# Altium PCB MotherBoard.PcbDoc (part 2 of 10) (continued)
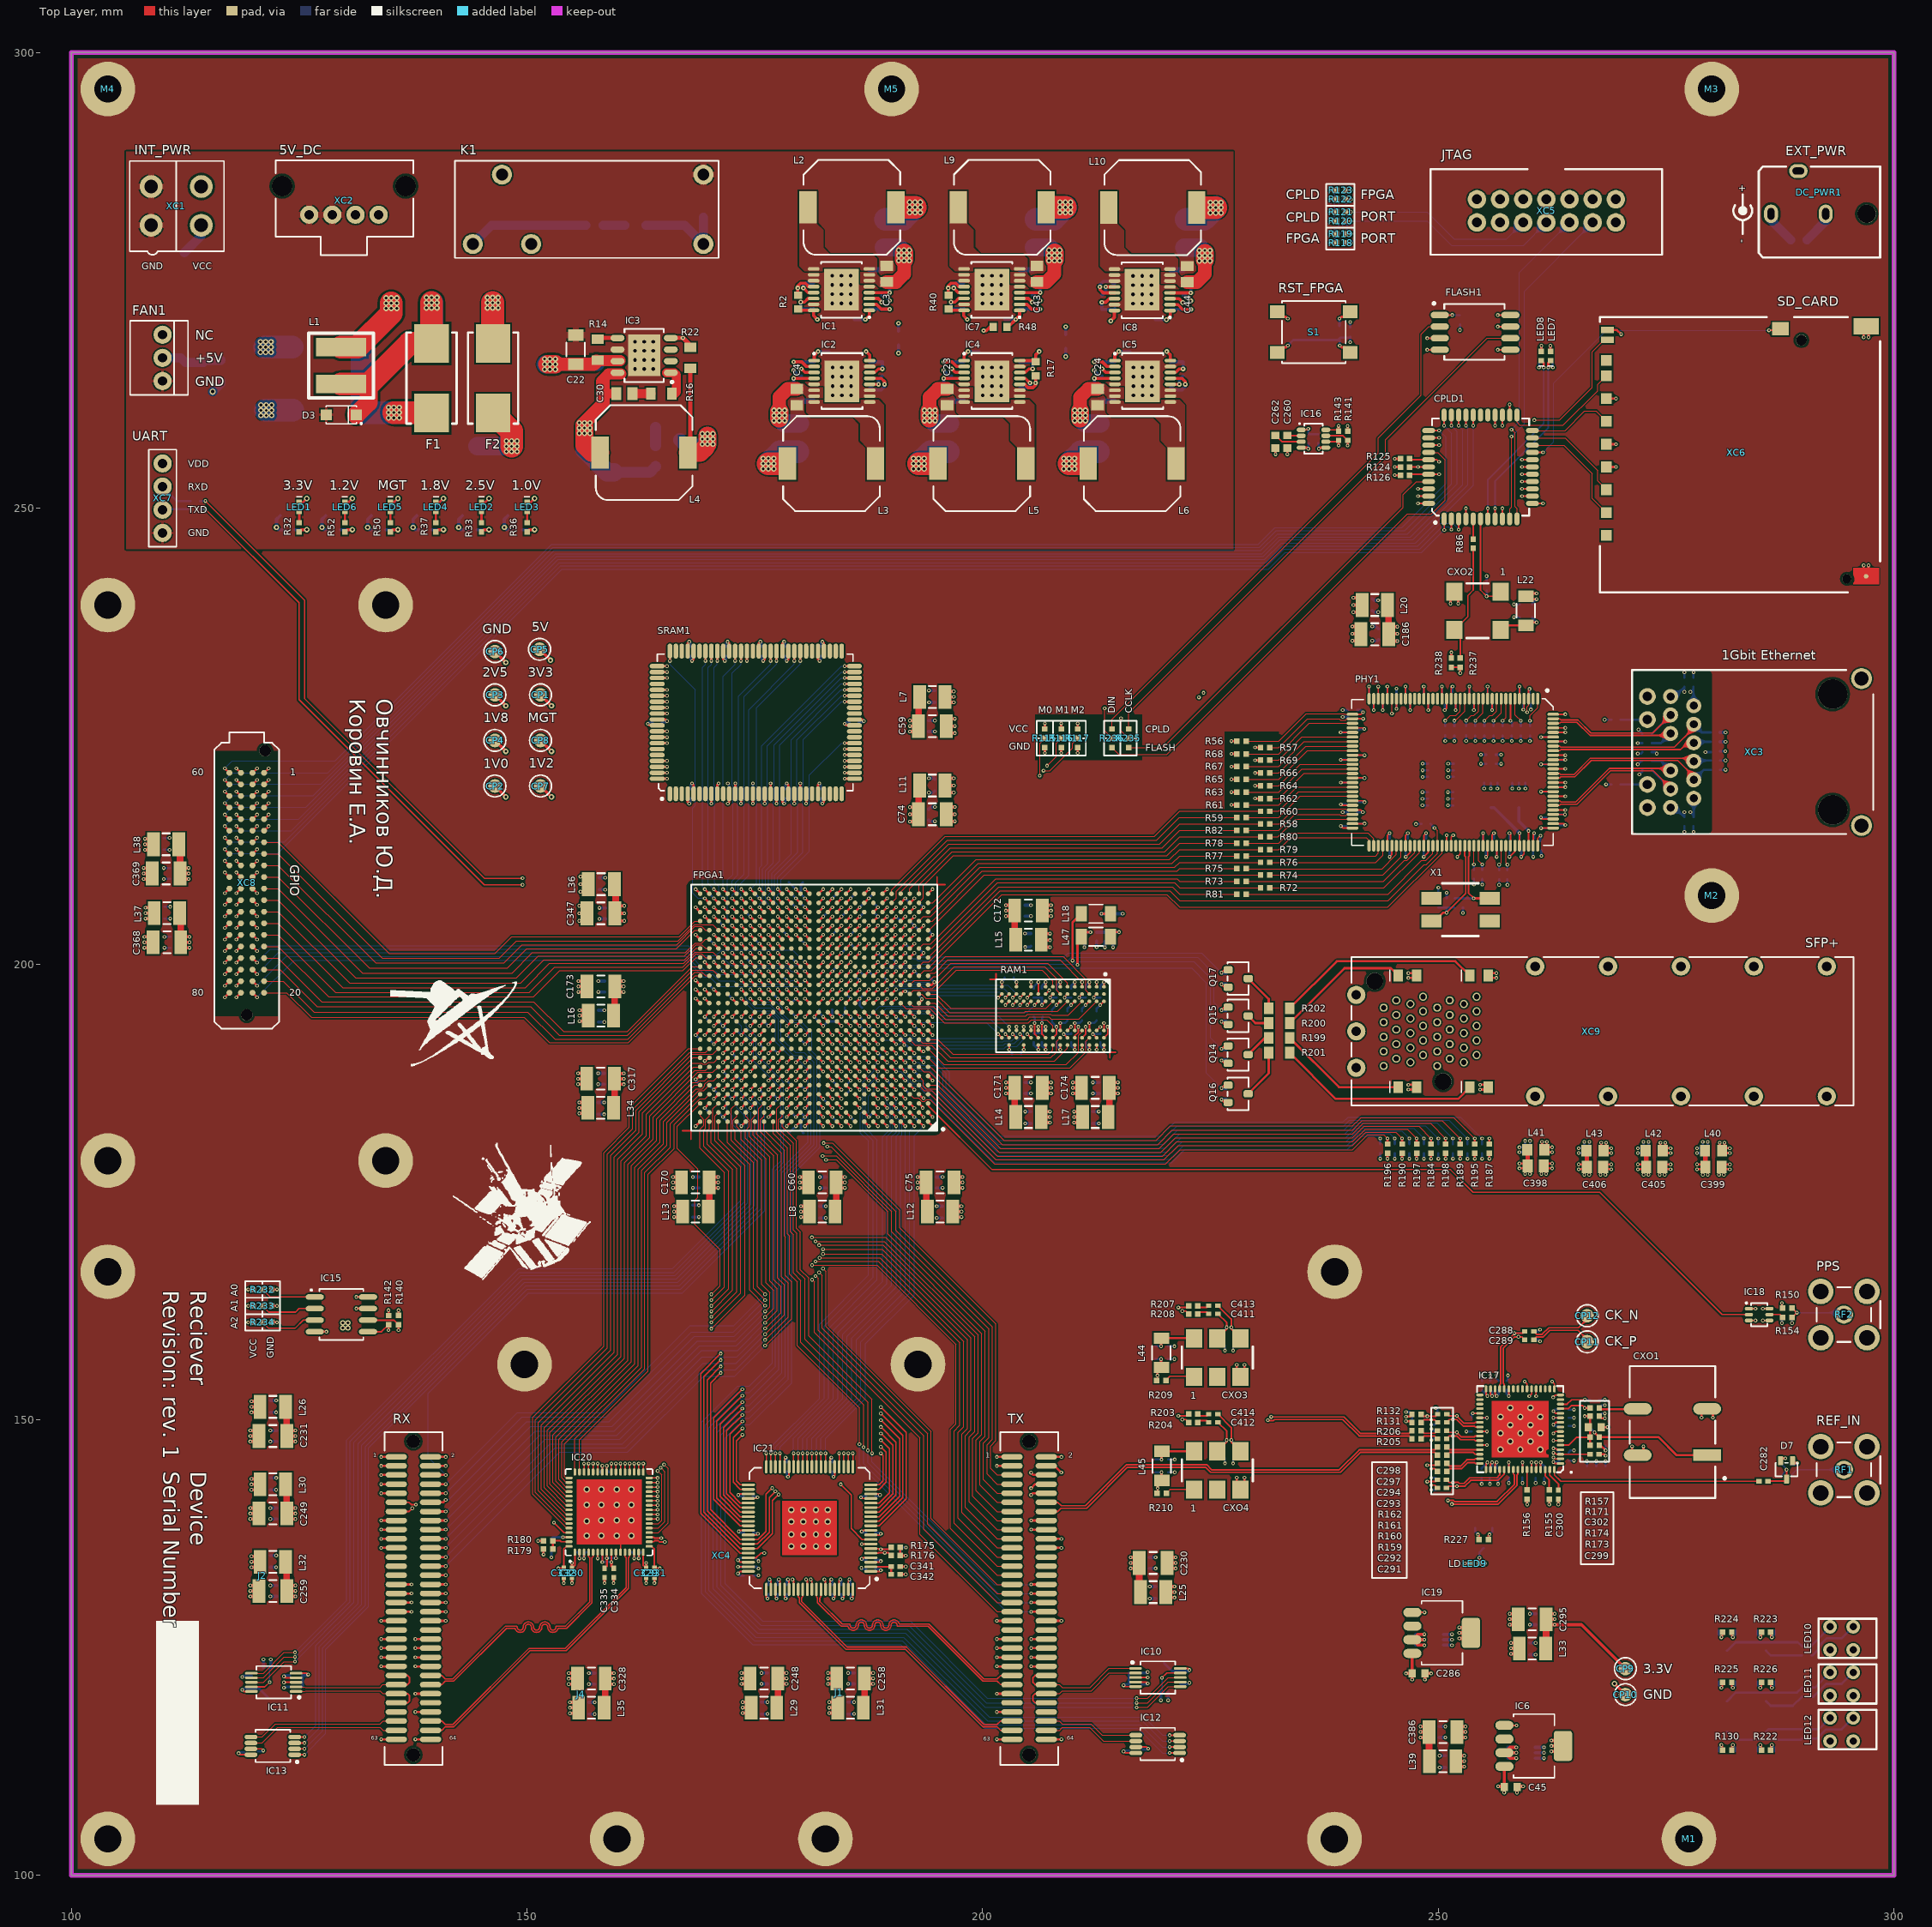
[diagram p0: Top Layer view]
## Footprints (in the part's own frame and the unit in brackets; to place one, negate y for a bottom-side part, rotate by r counter-clockwise, add the part's x,y. Pads: shape width x height; smd on the part's side, far side on the other; paste and mask are expansions set on the pad) (continued)
RFX [mil]
  round 236.22 hole 118.11: 0(-2450,5300) 0(-2450,0) 0(-2050,1800) 0(-2050,3500) 0(0,3100) 0(0,2200) 0(0,0) 0(1,5299)
  round 59.06 hole 59.06 unplated: 0(-1717,3980) 0(-1717,1320) 0(-363,3980) 0(-363,1320)
  oval 24x92 smd: 1(-1650,3906) 2(-1650,4054) 3(-1611,3906) 4(-1611,4054) 5(-1572,3906) 6(-1572,4054) 7(-1532,3906) 8(-1532,4054) 9(-1493,3906) 10(-1493,4054) 11(-1454,3906) 12(-1454,4054) 13(-1414,3906) 14(-1414,4054) 15(-1375,3906) 16(-1375,4054) 17(-1336,3906) 18(-1336,4054) 19(-1296,3906) 20(-1296,4054) 21(-1257,3906) 22(-1257,4054) 23(-1217,3906) 24(-1217,4054) 25(-1178,3906) 26(-1178,4054) 27(-1139,3906) 28(-1139,4054) 29(-1099,3906) 30(-1099,4054) 31(-1060,3906) 32(-1060,4054) 33(-1021,3906) 34(-1021,4054) 35(-981,3906) 36(-981,4054) 37(-942,3906) 38(-942,4054) 39(-902,3906) 40(-902,4054) 41(-863,3906) 42(-863,4054) 43(-824,3906) 44(-824,4054) 45(-784,3906) 46(-784,4054) 47(-745,3906) 48(-745,4054) 49(-706,3906) 50(-706,4054) 51(-666,3906) 52(-666,4054) 53(-627,3906) 54(-627,4054) 55(-588,3906) 56(-588,4054) 57(-548,3906) 58(-548,4054) 59(-509,3906) 60(-509,4054) 61(-469,3906) 62(-469,4054) 63(-430,3906) 64(-430,4054) 65(-1650,1246) 66(-1650,1394) 67(-1611,1246) 68(-1611,1394) 69(-1572,1246) 70(-1572,1394) 71(-1532,1246) 72(-1532,1394) 73(-1493,1246) 74(-1493,1394) 75(-1454,1246) 76(-1454,1394) 77(-1414,1246) 78(-1414,1394) 79(-1375,1246) 80(-1375,1394) 81(-1336,1246) 82(-1336,1394) 83(-1296,1246) 84(-1296,1394) 85(-1257,1246) 86(-1257,1394) 87(-1217,1246) 88(-1217,1394) 89(-1178,1246) 90(-1178,1394) 91(-1139,1246) 92(-1139,1394) 93(-1099,1246) 94(-1099,1394) 95(-1060,1246) 96(-1060,1394) 97(-1021,1246) 98(-1021,1394) 99(-981,1246) 100(-981,1394) 101(-942,1246) 102(-942,1394) 103(-902,1246) 104(-902,1394) 105(-863,1246) 106(-863,1394) 107(-824,1246) 108(-824,1394) 109(-784,1246) 110(-784,1394) 111(-745,1246) 112(-745,1394) 113(-706,1246) 114(-706,1394) 115(-666,1246) 116(-666,1394) 117(-627,1246) 118(-627,1394) 119(-588,1246) 120(-588,1394) 121(-548,1246) 122(-548,1394) 123(-509,1246) 124(-509,1394) 125(-469,1246) 126(-469,1394) 127(-430,1246) 128(-430,1394)
  silkscreen extent -1756,1195 -319,4105, body extent -1747,1200 -333,4100, height 329
"Right Angle Male Header" [mm] "4-Way 2.54mm Right Angle Male Header"
  round 2 hole 1: 1(3.81,0) 2(1.27,0) 3(-1.27,0) 4(-3.81,0)
  silkscreen extent -5.33,-1.52 5.33,1.52, body extent -5.08,-0.36 5.08,9.77, height 2.66
RT8289 [mil]
  oval 60x28 smd: 1(-115,75) 2(-115,25) 3(-115,-25) 4(-115,-75) 5(115,-75) 6(115,-25) 7(115,25) 8(115,75)
  rect 140x180 all layers, no hole: 9(0,0)
  silkscreen extent -125,-115 85,120, body extent -119,-99 119,99, height 63
SD0805 [mm] "Schottky Barrier Rectifier Diode"
  rect 1.1x1.27 smd: 1(-0.94,0) 2(0.94,0)
  silkscreen extent -1.75,-0.64 -1.75,0.63, body extent -1.15,-0.67 1.15,0.68, height 0.76
SD_Card [mm]
  round 1 hole 1 unplated: 0(-13.995,-10.338)
  round 0.5 smd: 0(-13.715,-12.438)
  round 1.2 hole 1.2 unplated: 0(12.192,-5.334)
  rect 1.8x2.8 smd: 0(13.712,-12.434)
  rect 1.2x1.2 smd: 1(-6.72,16.066) 2(-4.22,16.066) 3(-1.72,16.066) 4(0.78,16.066) 5(3.28,16.066) 6(5.78,16.066) 7(8.28,16.066) 8(9.98,16.066) 9(-9.22,16.066)
  rect 0.7x1.4 smd: 10(12.21,15.966) 11(13.31,15.966)
  rect 1.45x1.8 smd: 12(13.442,-3.034)
  Top Layer region: -14.61,-13.84 -14.61,-11.033 -14.463,-11.035 -14.159,-11.161 -13.831,-11.161 -13.527,-11.035 -13.527,-11.035 -12.811,-11.035 -12.808,-13.84
  silkscreen extent -15.49,-13.97 14.73,16.76, body extent -14.99,-19.76 14.32,16.37, height 2.83
"SFP+ Light Pipe" [mm] "CONN STACKED SFP+ 2X1 40POS"
  round 2 hole 1.05: 0(-3.325,-16.62) 0(-3.325,-24.62) 0(-3.325,-40.62) 0(-3.325,-32.62) 0(-3.325,-48.62) 0(-0.2,3.005) 0(3.8,3.005) 0(7.8,3.005) 0(10.925,-32.62) 0(10.925,-24.62) 0(10.925,-16.62) 0(10.925,-48.62) 0(10.925,-40.62)
  rrect50% 1.5x2.34 on Mech15: 0(-2.325,-2.59) 0(-2.325,-10.45) 0(9.925,-10.45) 0(9.925,-2.59)
  round 1.85 hole 1.85 unplated: 0(-1.7,-6.52) 0(9.3,0.98)
  rect 1.3x1.05 smd: INL_1(-2.325,-1.58) INL_2(-2.325,-3.6) INR_1(9.925,-1.58) INR_2(9.925,-3.6) OUTL_1(-2.325,-9.44) OUTL_2(-2.325,-11.46) OUTR_1(9.925,-9.44) OUTR_2(9.925,-11.46)
  round 0.88 hole 0.57: L1(7.2,-7.25) L2(6.4,-5.87) L3(5.6,-7.25) L4(4.8,-5.87) L5(4,-7.25) L6(3.2,-5.87) L7(2.4,-7.25) L8(1.6,-5.87) L9(0.8,-7.25) L10(0,-5.87) L11(0.4,-8.8) L12(1.2,-10.19) L13(2,-8.8) L14(2.8,-10.19) L15(3.6,-8.8) L16(4.4,-10.19) L17(5.2,-8.8) L18(6,-10.19) L19(6.8,-8.8) L20(7.6,-10.19) T1(0.4,-2.93) T2(1.2,-4.32) T3(2,-2.93) T4(2.8,-4.32) T5(3.6,-2.93) T6(4.4,-4.32) T7(5.2,-2.93) T8(6,-4.32) T9(6.8,-2.93) T10(7.6,-4.32) T11(7.2,-1.38) T12(6.4,0) T13(5.6,-1.38) T14(4.8,0) T15(4,-1.38) T16(3.2,0) T17(2.4,-1.38) T18(1.6,0) T19(0.8,-1.38) T20(0,0)
  silkscreen extent -4.32,-51.56 11.94,3.56, body extent -4.1,-60.13 11.7,3.38, height 26.25
"SMA Angle Female With Term" [mm]
  round 2.8 hole 1.7: 0(-2.54,2.54) 0(-2.54,-2.54) 0(2.54,2.54) 0(2.54,-2.54)
  round 2 hole 1.27: 1(0,0)
  silkscreen extent -4,-3 3,3, body extent -18.07,-4 3.2,4, height 10.72
SMF [mm]
  rect 1.2x1.2 smd: 1(-1.651,0) 2(1.651,0)
  silkscreen extent -2.24,-0.99 1.65,1.02, body extent -1.95,-0.95 1.95,0.95, height 1.25
SOIC8-W [mil]
  oval 78.74x28 smd: 1(0,0) 2(0,-50) 3(0,-100) 4(0,-150) 5(305,-150) 6(305,-100) 7(305,-50) 8(305,0)
  silkscreen extent -30,-193 280,55, body extent -7,-182 312,33, height 69
SOIC_SN8 [mm]
  oval 2x0.6 smd: 1(-2.921,1.905) 2(-2.921,0.635) 3(-2.921,-0.635) 4(-2.921,-1.905) 5(2.921,-1.905) 6(2.921,-0.635) 7(2.921,0.635) 8(2.921,1.905)
  silkscreen extent -3.39,-2.79 2.41,2.79, body extent -3.1,-2.5 3.1,2.5, height 1.75
SOT-23 [mm]
  rrect50% 0.8x1 smd: 1(0.95,1.1) 2(-0.95,1.1) 3(0,-1.1)
  silkscreen extent -1.78,-1.14 1.78,1.14, body extent -1.5,-1.25 1.5,1.25, height 1.09
SOT-23-6 [mm] "SOT23, 6-Leads"
  oval 0.9x0.4 smd: 1(-1.125,0.65) 2(-1.125,0) 3(-1.125,-0.65) 4(1.125,-0.65) 5(1.125,0) 6(1.125,0.65)
  silkscreen extent -1.49,-1.27 0.89,1.36, body extent -1.13,-1.12 1.12,1.13, height 1.1
SOT-23-8 [mm] "TSOP, 8-Leads"
  oval 1x0.5 smd: 1(-1.35,0.975) 2(-1.35,0.325) 3(-1.35,-0.325) 4(-1.35,-0.975) 5(1.35,-0.975) 6(1.35,-0.325) 7(1.35,0.325) 8(1.35,0.975)
  silkscreen extent -1.58,-1.65 1.02,1.71, body extent -1.4,-1.45 1.4,1.45, height 1
SOT-223-5 [mm]
  oval 1x2 smd: 1(-2.25,-3.252) 2(-0.75,-3.252) 3(0.75,-3.252) 4(2.25,-3.252)
  rrect30% 3.3x2 smd: 5(0,3.175)
  silkscreen extent -3.5,-2.25 3.5,2.25, body extent -3.25,-3.5 3.25,3.5, height 1.63
SOT-323 [mil]
  rrect20% 22x39 smd: 1(-26,-39) 2(26,-39) 3(0,40)
  silkscreen extent -48,-30 48,29, body extent -43,-44 43,44, height 43
Tantalum_D [mm]
  rect 2.5x2.8 smd: 1(-3.429,0) 2(3.429,0)
  silkscreen extent -4.57,-2.29 3.81,2.29, body extent -3.65,-2.15 3.65,2.15, height 2.8
TQFP-80-EP [mm] "TQFP, 80-Leads"
  round 0.7 hole 0.4: 0(-2,-2)
  oval 1.45x0.3 smd: 1(-6.725,4.75) 2(-6.725,4.25) 3(-6.725,3.75) 4(-6.725,3.25) 5(-6.725,2.75) 6(-6.725,2.25) 7(-6.725,1.75) 8(-6.725,1.25) 9(-6.725,0.75) 10(-6.725,0.25) 11(-6.725,-0.25) 12(-6.725,-0.75) 13(-6.725,-1.25) 14(-6.725,-1.75) 15(-6.725,-2.25) 16(-6.725,-2.75) 17(-6.725,-3.25) 18(-6.725,-3.75) 19(-6.725,-4.25) 20(-6.725,-4.75) 41(6.725,-4.75) 42(6.725,-4.25) 43(6.725,-3.75) 44(6.725,-3.25) 45(6.725,-2.75) 46(6.725,-2.25) 47(6.725,-1.75) 48(6.725,-1.25) 49(6.725,-0.75) 50(6.725,-0.25) 51(6.725,0.25) 52(6.725,0.75) 53(6.725,1.25) 54(6.725,1.75) 55(6.725,2.25) 56(6.725,2.75) 57(6.725,3.25) 58(6.725,3.75) 59(6.725,4.25) 60(6.725,4.75)
  oval 0.3x1.45 smd: 21(-4.75,-6.725) 22(-4.25,-6.725) 23(-3.75,-6.725) 24(-3.25,-6.725) 25(-2.75,-6.725) 26(-2.25,-6.725) 27(-1.75,-6.725) 28(-1.25,-6.725) 29(-0.75,-6.725) 30(-0.25,-6.725) 31(0.25,-6.725) 32(0.75,-6.725) 33(1.25,-6.725) 34(1.75,-6.725) 35(2.25,-6.725) 36(2.75,-6.725) 37(3.25,-6.725) 38(3.75,-6.725) 39(4.25,-6.725) 40(4.75,-6.725) 61(4.75,6.725) 62(4.25,6.725) 63(3.75,6.725) 64(3.25,6.725) 65(2.75,6.725) 66(2.25,6.725) 67(1.75,6.725) 68(1.25,6.725) 69(0.75,6.725) 70(0.25,6.725) 71(-0.25,6.725) 72(-0.75,6.725) 73(-1.25,6.725) 74(-1.75,6.725) 75(-2.25,6.725) 76(-2.75,6.725) 77(-3.25,6.725) 78(-3.75,6.725) 79(-4.25,6.725) 80(-4.75,6.725)
  Top Layer region: -3,-3 3,-3 3,3 -3,3
  silkscreen extent -7.49,-6.6 6.6,6.6, body extent -7.1,-7.1 7.1,7.1, height 1.6
TQFP-100 [mm] "100-pin TQFP (14x20x1.4 mm)"
  oval 1.65x0.5 smd: 1(-7.825,9.425) 2(-7.825,8.775) 3(-7.825,8.125) 4(-7.825,7.475) 5(-7.825,6.825) 6(-7.825,6.175) 7(-7.825,5.525) 8(-7.825,4.875) 9(-7.825,4.225) 10(-7.825,3.575) 11(-7.825,2.925) 12(-7.825,2.275) 13(-7.825,1.625) 14(-7.825,0.975) 15(-7.825,0.325) 16(-7.825,-0.325) 17(-7.825,-0.975) 18(-7.825,-1.625) 19(-7.825,-2.275) 20(-7.825,-2.925) 21(-7.825,-3.575) 22(-7.825,-4.225) 23(-7.825,-4.875) 24(-7.825,-5.525) 25(-7.825,-6.175) 26(-7.825,-6.825) 27(-7.825,-7.475) 28(-7.825,-8.125) 29(-7.825,-8.775) 30(-7.825,-9.425) 51(7.825,-9.425) 52(7.825,-8.775) 53(7.825,-8.125) 54(7.825,-7.475) 55(7.825,-6.825) 56(7.825,-6.175) 57(7.825,-5.525) 58(7.825,-4.875) 59(7.825,-4.225) 60(7.825,-3.575) 61(7.825,-2.925) 62(7.825,-2.275) 63(7.825,-1.625) 64(7.825,-0.975) 65(7.825,-0.325) 66(7.825,0.325) 67(7.825,0.975) 68(7.825,1.625) 69(7.825,2.275) 70(7.825,2.925) 71(7.825,3.575) 72(7.825,4.225) 73(7.825,4.875) 74(7.825,5.525) 75(7.825,6.175) 76(7.825,6.825) 77(7.825,7.475) 78(7.825,8.125) 79(7.825,8.775) 80(7.825,9.425)
  oval 0.5x1.65 smd: 31(-6.175,-10.825) 32(-5.525,-10.825) 33(-4.875,-10.825) 34(-4.225,-10.825) 35(-3.575,-10.825) 36(-2.925,-10.825) 37(-2.275,-10.825) 38(-1.625,-10.825) 39(-0.975,-10.825) 40(-0.325,-10.825) 41(0.325,-10.825) 42(0.975,-10.825) 43(1.625,-10.825) 44(2.275,-10.825) 45(2.925,-10.825) 46(3.575,-10.825) 47(4.225,-10.825) 48(4.875,-10.825) 49(5.525,-10.825) 50(6.175,-10.825) 81(6.175,10.825) 82(5.525,10.825) 83(4.875,10.825) 84(4.225,10.825) 85(3.575,10.825) 86(2.925,10.825) 87(2.275,10.825) 88(1.625,10.825) 89(0.975,10.825) 90(0.325,10.825) 91(-0.325,10.825) 92(-0.975,10.825) 93(-1.625,10.825) 94(-2.275,10.825) 95(-2.925,10.825) 96(-3.575,10.825) 97(-4.225,10.825) 98(-4.875,10.825) 99(-5.525,10.825) 100(-6.175,10.825)
  silkscreen extent -8.51,-10.67 7.49,10.79, body extent -8,-11.01 8,10.96, height 1.48
VQFP44 [mm] "TQFP, 44-Leads, Body 10,00x10,00mm, Pitch 0,80mm, IPC Medium Density"
  oval 1.4x0.55 smd: 1(-5.7,4) 2(-5.7,3.2) 3(-5.7,2.4) 4(-5.7,1.6) 5(-5.7,0.8) 6(-5.7,0) 7(-5.7,-0.8) 8(-5.7,-1.6) 9(-5.7,-2.4) 10(-5.7,-3.2) 11(-5.7,-4) 23(5.7,-4) 24(5.7,-3.2) 25(5.7,-2.4) 26(5.7,-1.6) 27(5.7,-0.8) 28(5.7,0) 29(5.7,0.8) 30(5.7,1.6) 31(5.7,2.4) 32(5.7,3.2) 33(5.7,4)
  oval 0.55x1.4 smd: 12(-4,-5.7) 13(-3.2,-5.7) 14(-2.4,-5.7) 15(-1.6,-5.7) 16(-0.8,-5.7) 17(0,-5.7) 18(0.8,-5.7) 19(1.6,-5.7) 20(2.4,-5.7) 21(3.2,-5.7) 22(4,-5.7) 34(4,5.7) 35(3.2,5.7) 36(2.4,5.7) 37(1.6,5.7) 38(0.8,5.7) 39(0,5.7) 40(-0.8,5.7) 41(-1.6,5.7) 42(-2.4,5.7) 43(-3.2,5.7) 44(-4,5.7)
  silkscreen extent -6.22,-5.33 5.33,5.33, body extent -6.18,-6 5.98,6, height 1.24
XAL6060-223 [mm]
  rect 2x5.5 smd: 1(-2.02,0) 2(2.02,0)
  silkscreen extent -3.56,-3.56 3.56,3.56, body extent -3.28,-3.38 3.28,3.38, height 6.08
XTAL [mm] "XTAL SMD 5x7"
  rect 2.2x1.4 smd: 1(-3.2,-1.25) 2(3.2,-1.25) 3(3.2,1.25) 4(-3.2,1.25)
  silkscreen extent -2,-2.9 2,2.9, body extent -3.5,-2.5 3.5,2.5, height 1.31
С0402 [mm] "Chip Capacitor, Body 1.0x0.5mm, IPC High Density"
  rect 0.6x0.5 smd: 1(-0.5,0) 2(0.5,0)
  body extent -0.5,-0.25 0.5,0.25, height 0.49

## Part data
C1 C2 C3 C4 C5 C8 C9 C10 C11 C13 C14 C15 C16 C17 C18 C21 C22 C23 C24 C25 C28 C29 C30 C31 C32 C33 C35 C36 C40 C41 C42 C43 C44 C45 C46 C47 C48 C49 C52 C53 C54 C55 C56 C57 C61 C62 C63 C64 C65 C66 C67 C68 C69 C72 C73 C76 C77 C78 C79 C80 C81 C82 C83 C84 C85 C86 C87 C88 C89 C90 C91 C92 C93 C94 C95 C96 C97 C98 C99 C100 C101 C102 C103 C104 C105 C106 C107 C108 C109 C110 C111 C112 C113 C114 C115 C116 C117 C118 C119 C120 C121 C122 C123 C124 C125 C126 C127 C128 C129 C130 C131 C132 C133 C134 C135 C136 C137 C138 C139 C140 C141 C142 C143 C144 C145 C146 C147 C148 C149 C150 C151 C152 C153 C154 C155 C156 C157 C158 C159 C160 C161 C162 C163 C164 C165 C166 C167 C168 C169 C177 C178 C179 C180 C181 C182 C184 C188 C189 C190 C191 C192 C193 C194 C195 C196 C197 C198 C199 C200 C201 C202 C203 C204 C205 C206 C207 C208 C209 C210 C211 C212 C213 C214 C215 C216 C217 C218 C219 C220 C221 C222 C223 C224 C225 C226 C227 C228 C229 C232 C233 C234 C235 C236 C237 C238 C239 C240 C241 C242 C243 C244 C245 C246 C247 C250 C251 C252 C253 C254 C255 C256 C257 C260 C261 C262 C263 C264 C265 C266 C267 C268 C269 C270 C271 C272 C273 C274 C275 C276 C277 C278 C279 C280 C281 C282 C283 C284 C285 C286 C287 C288 C289 C290 C291 C292 C293 C294 C297 C298 C299 C300 C301 C302 C304 C305 C306 C307 C308 C309 C310 C311 C312 C313 C314 C315 C316 C318 C319 C320 C321 C322 C323 C324 C325 C326 C327 C329 C330 C331 C332 C333 C334 C335 C336 C337 C338 C339 C340 C341 C342 C343 C344 C345 C346 C348 C349 C350 C351 C352 C353 C354 C355 C356 C357 C358 C359 C360 C361 C362 C363 C364 C365 C366 C367 C370 C371 C372 C373 C374 C375 C376 C377 C378 C379 C380 C381 C382 C383 C384 C385 C387 C388 C389 C390 C391 C392 C393 C394 C395 C396 C397 C398 C399 C400 C401 C402 C403 C404 C405 C406 C407 C408 C409 C410 C411 C412 C413 C414 C415 C416 C422 C423 C424 C425 C426 C427 C428 C429 C430 C431 C432 C433 C434 C435 C436 C437 C438 C439: library part "Cer Cap", "Cer Cap Small"
C6 C7 C19 C20 C26 C27 C34 C37 C38 C39 C50 C51 C58 C59 C60 C70 C71 C74 C75 C170 C171 C172 C173 C174 C175 C176 C186 C230 C231 C248 C249 C258 C259 C295 C296 C303 C317 C328 C347 C368 C369 C386: library part "Cap uF", "Cer Cap Large"
C12: "Tantalum Polarity Cap"
CP1 CP2 CP3 CP4 CP5 CP6 CP7 CP8 CP9 CP10 CP11 CP12: library part "Control Point", "Control Point"
CPLD1: library part XC9572XL-10VQ44C, "FastFLASH XC900XL, 3.3V High-Performance 72 Macrocell CPLD, 34 User I/Os, 44-Pin VQFP, Speed Grade 10, Commercial Grade"
CXO1: "Crystal Oscillator"
CXO2: library part "5x7 CXO", "Crystal Oscillator"
CXO3 CXO4: library part "5x7 LVPECL CXO", "Crystal Oscillator"
D1 D2 D5: "Schottky Diode"
D3: "33V Supressor"
D4: "Schottky Diode SMD"
D7: library part HSMS-281x, "RF Schottky Barrier Diodes"
DC_PWR1: library part DC_Connector, "DC Power Connector 6mm"
F1 F2: "Chip SMD Fuse"
FAN1: library part "FAN Connector", "FAN Connector"
FLASH1: library part SST25VF016B-xx-xx-S2Ax, "SPI Flash"
FPGA1: "Artix-7 FPGA, 400 User I/Os, 8 GTP, 676-Ball BGA, Speed Grade 2, Commercial Grade, Pb-Free"
IC1 IC4 IC7: "Synchrous Buck Regulator"
IC2 IC5 IC8: "Synchronous Buck Regulator"
IC3: "Step-Down Converter"
IC6 IC19: "Linear Regulator"
IC10 IC11: library part AD56x3R, "Dual 12-/14-/16-Bit nanoDAC"
IC12 IC13: library part AD79x2, "1 MSPS, 10-/12-Bit ADC"
IC15: "I2C EEPROM"
IC16: "uC Reset Circuits"
IC17: "14-Output Clock Generator"
IC18: "Bidirectional Logic Level Translator"
IC20: "Dual 16-Bit, 125Msps  Low Power 3V ADC"
IC21: "16-Bit, 160 MSPS  D/A Converter"
J1 J2 J4: "PGND & AGND Connect"
K1: library part Relay-SPDT_G6RL, "Single-Pole Dual-Throw Relay"
L1 L2 L3 L4 L5 L6 L9 L10: "Magnetic-Core Inductor"
L7 L8 L11 L12 L13 L14 L15 L16 L17 L18 L19 L20 L22 L23 L24 L25 L26 L27 L28 L29 L30 L31 L32 L33 L34 L35 L36 L37 L38 L39 L40 L41 L42 L43 L44 L45 L47: "Inductor_Power_Lines"
LED1 LED2 LED3 LED4 LED5 LED6 LED9: library part LED, "Typical RED, GREEN, YELLOW, AMBER GaAs LED"
LED7 LED8: "Typical RED, GREEN, YELLOW, AMBER GaAs LED"
LED10 LED11 LED12: library part LED_PACK, "LED Pack For Front Panel"
M1 M2 M3 M4 M5: library part Mechanical_Via, "Mechanical Via"
PHY1: "10/100/1000 Ethernet Physical Layer"
Q1 Q2 Q3 Q4 Q5 Q6 Q7 Q8 Q9 Q10 Q11 Q12 Q13 Q14 Q15 Q16 Q17: "N-Channel MOSFET 2N7002"
R1 R2 R3 R4 R5 R6 R7 R8 R9 R10 R11 R12 R13 R14 R15 R16 R17 R18 R19 R20 R21 R22 R23 R24 R25 R26 R27 R28 R29 R30 R31 R32 R33 R34 R35 R36 R37 R38 R39 R40 R41 R42 R43 R44 R45 R46 R47 R48 R49 R50 R51 R52 R53 R54 R55 R56 R57 R58 R59 R60 R61 R62 R63 R64 R65 R66 R67 R68 R69 R70 R71 R72 R73 R74 R75 R76 R77 R78 R79 R80 R81 R82 R83 R84 R85 R86 R87 R88 R89 R90 R91 R92 R93 R94 R95 R96 R97 R98 R99 R100 R101 R102 R103 R104 R105 R106 R107 R108 R109 R110 R111 R112 R113 R114 R115 R116 R117 R118 R119 R120 R121 R122 R123 R124 R125 R126 R127 R128 R129 R130 R131 R132 R133 R134 R135 R136 R137 R138 R139 R140 R141 R142 R143 R144 R145 R146 R147 R148 R149 R150 R151 R152 R153 R154 R155 R156 R157 R158 R159 R160 R161 R162 R163 R164 R165 R166 R167 R168 R169 R170 R171 R172 R173 R174 R175 R176 R177 R178 R179 R180 R181 R182 R183 R184 R185 R186 R187 R188 R189 R190 R191 R192 R193 R194 R195 R196 R197 R198 R199 R200 R201 R202 R203 R204 R205 R206 R207 R208 R209 R210 R211 R212 R213 R214 R215 R216 R217 R218 R219 R220 R221 R222 R223 R224 R225 R226 R227 R228 R229 R230 R231 R232 R233 R234 R235 R236 R237 R238 R239 R240: "Resistor"
RAM1: library part MT47H64M16, "DDR2 1Gb DRAM"
RF1 RF2: library part "SMA Angle Female", "SMA Male Right-Angle PCM Connector"
S1: library part "Push Button"
SRAM1: "Pipelined SRAM with NoBL"
X1: library part XTAL, "XTAL"
XC1: library part "1x2 Pwr_Hdr", "Power Connector Mini-Fit"
XC2: library part "H-DAC PCB Connector"
XC3: library part 0826-1X1T-23-F, "Gigabit Single Port"
XC4: library part RFX, "RFX"
XC5: library part "JTAG Male", "Male Header JTAG"
XC6: library part SD_Card
XC7: library part "4-Way Header", "4-Way Angle PCB Header"
XC8: library part "Molex_SEARAY™ 46557", "CONN FML 80POS 4ROWS GOLD SMD"
XC9: library part SFP+_2X1, "SFP+ 1 by 2 Connector"

## Via types
v1: diameter 0.4, hole 0.2, Top Layer to Bottom Layer, tented both sides, 1921 vias
v2: diameter 0.6, hole 0.3, Top Layer to Bottom Layer, tented both sides, 229 vias
v3: diameter 0.7, hole 0.4, Top Layer to Bottom Layer, 128 vias
v4: diameter 0.5, hole 0.2, Top Layer to Bottom Layer, tented both sides, 60 vias
v5: diameter 0.7, hole 0.4, Top Layer to Bottom Layer, tented both sides, 1 vias

## Nets (pads, with @x,y where several pads share a name; then routed paths per layer and width w, separated by ;. In a path a pad name is that pad's centre, name@x,y a point inside that pad or via, vN(x,y) a via of type N, cw(c..) or ccw(c..) an arc to the next point about the centre after c; other vN are vias at no path point)
1V0: C20.1 C61.2 C62.2 C64.2 C65.1 C151.1 C157.1 CP2.1 L3.2 L11.2 L12.2 L16.2 R11.1 | length 33
  Top Layer w0.35: CP2.1@146.475,219.525 v2(147.675,218.325) ; v1(155.753,193.725) L16.2@156.703,193.725 ; v1(155.753,194.325) L16.2@156.703,194.325 ; v1(155.753,194.925) L16.2@156.703,194.925 ; L11.2@195.872,218.975 196.047,218.8 v1(196.823,218.8) ; L11.2@195.872,219.575 v1(196.822,219.575) ; L11.2@195.872,220.175 196.072,220.375 v1(196.823,220.375) ; L12.2@196.721,172.225 v1(197.671,172.225) ; L12.2@196.721,172.825 v1(197.671,172.825) ; L12.2@196.721,173.425 v1(197.671,173.425)
  Top Layer w2.5: v2(176.475,254.9) L3.2@178.225,254.9
  Power w0.25: v2(176.475,254.9) 179.775,258.2 179.775,264.6 v4(179.25,265.125) v4@179.25,265.099
  Bottom Layer w0.35: v1(155.753,193.725) C157.1@156.427,193.725 ; v1(155.753,194.925) C151.1@156.427,194.925 ; v4(179.25,265.125) 179.837,264.538 R11.1@180.1,264.538 ; C61.2@196.15,218.875 196.225,218.8 v1(196.823,218.8) ; C64.2@196.15,220.275 196.25,220.375 v1(196.823,220.375) ; C62.2@196.997,172.225 v1(197.671,172.225) ; C65.1@196.997,173.425 v1(197.671,173.425)
  Bottom Layer w2.5: v2@176.462,254.888 177.775,256.2 C20.1@179.7,256.2
  other v2: 175.9,254.325 176.475,254.325 177.075,254.325 175.9,254.9 177.075,254.9 175.9,255.475 176.475,255.475 177.075,255.475
1V0_FPGA: C88.1 C89.1 C90.1 C91.1 C92.2 C93.1 C108.2 C109.2 C110.1 C111.2 C112.2 C113.1 C114.1 C129.1 C130.2 C146.2 C147.2 C162.1 C168.1 C173.2 FPGA1.J11 FPGA1.J13 FPGA1.K10 FPGA1.K12 FPGA1.L11 FPGA1.L13 FPGA1.M10 FPGA1.N13 FPGA1.P10 FPGA1.R13 FPGA1.T10 FPGA1.T12 FPGA1.U11 FPGA1.U13 FPGA1.V10 FPGA1.V12 FPGA1.W13 L16.1 | length 31
  Top Layer w0.25: v1(181.5,194.2) FPGA1.N13@182,194.7 ; FPGA1.J13@182,190.7 v1(182.5,190.2) ; FPGA1.L13@182,192.7 v1(182.5,192.2) ; FPGA1.R13@182,196.7 v1(182.5,197.2) ; FPGA1.U13@182,198.7 v1(182.5,199.2) ; FPGA1.W13@182,200.7 v1(182.5,201.2) ; FPGA1.K12@183,191.7 v1(183.5,191.2) ; FPGA1.T12@183,197.7 v1(183.5,198.2) ; FPGA1.V12@183,199.7 v1(183.5,200.2) ; FPGA1.J11@184,190.7 v1(184.5,190.2) ; FPGA1.L11@184,192.7 v1(184.5,192.2) ; FPGA1.U11@184,198.7 v1(184.5,199.2) ; FPGA1.K10@185,191.7 v1(185.5,191.2) ; FPGA1.M10@185,193.7 v1(185.5,193.2) ; FPGA1.P10@185,195.7 v1(185.5,196.2) ; FPGA1.T10@185,197.7 v1(185.5,198.2) ; FPGA1.V10@185,199.7 v1(185.5,200.2)
  Top Layer w0.35: C173.2@159.749,196.925 v1(160.6,196.925) ; C173.2@159.749,197.525 v1(160.6,197.525) ; C173.2@159.749,198.125 v1(160.6,198.125)
  Top Layer w0.72: L16.1@159.497,194.325 159.624,194.452 C173.2@159.624,197.525
  Bottom Layer w0.25: v1(181.5,194.2) C129.1@182,193.7 ; C113.1@182,190.7 v1(182.5,190.2) ; C89.1@182,192.7 v1(182.5,192.2) ; C108.2@182,196.7 v1(182.5,197.2) ; C109.2@182,198.7 v1(182.5,199.2) ; C91.1@182,200.7 v1(182.5,201.2) ; C130.2@183,191.7 v1(183.5,191.2) ; C146.2@183,197.7 v1(183.5,198.2) ; C147.2@183,199.7 v1(183.5,200.2) ; C111.2@184,190.7 v1(184.5,190.2) ; C92.2@184,192.7 v1(184.5,192.2) ; C110.1@184,198.7 v1(184.5,199.2) ; C90.1@185,191.7 v1(185.5,191.2) ; C114.1@185,193.7 v1(185.5,193.2) ; C88.1@185,196.7 v1(185.5,196.2) ; C93.1@185,197.7 v1(185.5,198.2) ; C112.2@185,199.7 v1(185.5,200.2)
  Bottom Layer w0.35: C168.1@160.025,196.925 v1(160.6,196.925) ; C162.1@160.025,198.125 v1(160.6,198.125)
1V2: C41.1 C42.1 C46.1 C47.1 C70.2 CP7.1 L7.2 L8.2 L9.2 R44.1 | length 28.5
  Top Layer w0.35: CP7.1@151.475,219.525 v2(152.675,218.325) ; v1(180.053,172.225) L8.2@181.003,172.225 ; v1(180.053,172.825) L8.2@181.003,172.825 ; v1(180.053,173.425) L8.2@181.003,173.425 ; L7.2@195.872,228.7 v1(196.822,228.7) ; L7.2@195.872,229.3 v1(196.822,229.3) ; L7.2@195.872,229.9 v1(196.822,229.9)
  Top Layer w2.5: L9.2@207.323,283.014 v2(209.073,283.014)
  Power w0.25: v4(206.298,272.789) 205.773,273.314 205.773,279.714 v2(209.073,283.014)
  Bottom Layer w0.35: v1(180.053,172.225) C47.1@180.727,172.225 ; v1(180.053,173.425) C42.1@180.727,173.425 ; C46.1@196.148,228.7 v1(196.822,228.7) ; C41.1@196.148,229.9 v1(196.822,229.9) ; R44.1@205.448,273.376 205.711,273.376 v4(206.298,272.789)
  Bottom Layer w2.5: C70.2@205.848,281.714 207.773,281.714 v2@209.085,283.026
  other v2: 208.473,282.439 209.073,282.439 209.648,282.439 208.473,283.014 209.648,283.014 208.473,283.589 209.073,283.589 209.648,283.589
1V8: C39.2 C148.1 C152.2 C153.2 C154.1 C158.1 C178.1 C180.1 C305.1 C310.1 C318.1 C319.1 CP4.1 L6.2 L13.2 L17.2 L18.2 L20.2 L34.2 L35.1 R27.1 | length 126.7
  Top Layer w0.25: v1(213.039,205.505) L18.2@214.014,205.505
  Top Layer w0.35: CP4.1@146.475,224.525 v2(147.675,223.325) ; v1(154.705,117.784) L35.1@155.655,117.784 ; v1(154.705,118.384) L35.1@155.655,118.384 ; v1(154.705,118.984) L35.1@155.655,118.984 ; v1(155.729,183.6) L34.2@156.679,183.6 ; v1(155.729,184.2) L34.2@156.679,184.2 ; v1(155.729,184.8) L34.2@156.679,184.8 ; v1(166.128,172.225) L13.2@167.078,172.225 ; v1(166.128,172.825) L13.2@167.078,172.825 ; v1(166.128,173.425) L13.2@167.078,173.425 ; v1(210.017,182.6) L17.2@210.967,182.6 ; v1(210.017,183.2) L17.2@210.967,183.2 ; v1(210.017,183.8) L17.2@210.967,183.8 ; v1(240.674,238.6) 241.45,238.6 L20.2@241.625,238.775 ; v1(240.674,240.175) 241.425,240.175 L20.2@241.625,239.975 ; v1(240.675,239.375) L20.2@241.625,239.375
  Top Layer w2.5: v2(209.475,254.9) L6.2@211.225,254.9
  Signal Layer 1 w0.15: v2(147.675,223.325) 147.05,223.95 147.05,230.8 174.275,258.025 206.35,258.025 v2(209.475,254.9)
  Power w0.25: v2(209.475,254.9) 212.775,258.2 212.775,264.6 v4(212.25,265.125) v4@212.25,265.099
  Bottom Layer w0.35: v1(154.705,117.784) C319.1@155.379,117.784 ; v1(154.705,118.984) C318.1@155.379,118.984 ; v1(155.729,183.6) C305.1@156.403,183.6 ; v1(155.729,184.8) C310.1@156.403,184.8 ; v1(166.128,172.225) C154.1@166.802,172.225 ; v1(166.128,173.425) C148.1@166.802,173.425 ; v1(210.017,182.6) C158.1@210.691,182.6 ; v1(210.017,183.8) C152.2@210.691,183.8 ; v4(212.25,265.125) 212.837,264.538 R27.1@213.1,264.538 ; v1(213.039,205.505) C153.2@213.7,205.505 ; v1(240.674,238.6) C180.1@241.272,238.6 ; v1(240.674,240.175) 241.249,240.175 C178.1@241.349,240.075 ; C180.1@241.274,238.6 C180.1@241.349,238.675
  Bottom Layer w2.5: v2@209.462,254.888 210.775,256.2 ; v2@210.063,255.488 210.775,256.2 ; C39.2@212.7,256.2 210.775,256.2
  other v2: 208.9,254.325 209.475,254.325 210.075,254.325 208.9,254.9 210.075,254.9 208.9,255.475 209.475,255.475 210.075,255.475
1V8_AUX: C126.1 C127.1 C128.2 C144.1 C145.2 C159.1 C165.1 C170.2 FPGA1.J9 FPGA1.L9 FPGA1.N9 FPGA1.R9 FPGA1.U9 L13.1 | length 14
  Top Layer w0.25: FPGA1.J9@186,190.7 v1(186.5,190.2) ; FPGA1.L9@186,192.7 v1(186.5,192.2) ; FPGA1.N9@186,194.7 v1(186.5,194.2) ; FPGA1.R9@186,196.7 v1(186.5,197.2) ; FPGA1.U9@186,198.7 v1(186.5,199.2)
  Top Layer w0.35: C170.2@170.124,175.425 v1(170.975,175.425) ; C170.2@170.124,176.025 v1(170.975,176.025) ; C170.2@170.124,176.625 v1(170.975,176.625)
  Top Layer w0.72: L13.1@169.872,172.825 169.999,172.952 C170.2@169.999,176.025
  Bottom Layer w0.25: C127.1@186,190.7 v1(186.5,190.2) ; C145.2@186,192.7 v1(186.5,192.2) ; C144.1@186,196.7 v1(186.5,197.2) ; v1(186.5,194.2) C128.2@187,193.7 ; v1(186.5,199.2) C126.1@187,198.7
  Bottom Layer w0.35: C165.1@170.4,175.425 v1(170.975,175.425) ; C159.1@170.4,176.625 v1(170.975,176.625)
1V8_ETH: C182.1 C184.1 C186.1 C190.2 C192.1 C194.1 C196.2 C198.1 C201.1 C204.1 C206.1 L20.1 L23.1 PHY1.11 PHY1.19 PHY1.25 PHY1.35 PHY1.48 PHY1.63 PHY1.73 PHY1.92 | length 24.8
  Top Layer w0.18: PHY1.63@240.58,215.4 v1(241.9,215.4) ; PHY1.48@240.58,222.9 v1(241.9,222.9) ; v1(243.9,227.85) PHY1.35@243.9,229.1 ; PHY1.73@246.4,212.971 246.4,214.1 v1(246.65,214.35) ; v1(248.9,227.85) PHY1.25@248.9,229.1 ; v1(251.9,227.85) PHY1.19@251.9,229.1 ; PHY1.92@255.9,212.971 255.9,214.15 v1(256.1,214.35) ; v1(255.9,227.85) PHY1.11@255.9,229.1
  Top Layer w0.35: C186.1@244.546,235.625 244.746,235.425 v1(245.497,235.425) ; C186.1@244.546,236.225 v1(245.496,236.225) ; C186.1@244.546,236.825 244.721,237 v1(245.497,237)
  Top Layer w0.72: L20.1@244.419,239.425 244.546,239.298 C186.1@244.546,236.225
  Bottom Layer w0.25: C194.1@241.3,215.4 v1(241.9,215.4) ; C196.2@241.3,222.9 v1(241.9,222.9) ; v1(243.9,227.85) C198.1@243.9,228.45 ; C192.1@246.65,213.75 v1(246.65,214.35) ; v1(248.275,220.525) L23.1@248.875,220.525 ; v1(248.275,221.25) L23.1@248.875,221.25 ; v1(248.275,221.975) L23.1@248.875,221.975 ; v1(248.9,227.85) C201.1@248.9,228.45 ; v1(251.9,227.85) C204.1@251.9,228.45 ; v1(255.9,227.85) C206.1@255.9,228.45 ; C190.2@256.1,213.75 v1(256.1,214.35)
  Bottom Layer w0.35: C184.1@244.822,235.525 244.922,235.425 v1(245.497,235.425) ; C182.1@244.822,236.925 C182.1@244.897,237 ; C182.1@244.947,237 v1(245.497,237)
1V8_ETH_A: C209.1 C211.1 C213.1 C214.1 C216.1 L23.2 PHY1.103 PHY1.105 PHY1.111 PHY1.117 PHY1.123 R70.1 R71.1 | length 12.7
  Top Layer w0.18: v1(261.25,216.075) 261.425,215.9 PHY1.105@262.6,215.9 ; v1(261.275,214.9) PHY1.103@262.6,214.9 ; v1(261.275,218.9) PHY1.111@262.6,218.9 ; v1(261.275,221.9) PHY1.117@262.6,221.9 ; v1(261.275,224.9) PHY1.123@262.6,224.9
  Bottom Layer w0.25: v1(251.069,220.525) L23.2@251.669,220.525 ; v1(251.069,221.25) L23.2@251.669,221.25 ; v1(251.069,221.975) L23.2@251.669,221.975 ; v1(254.667,221.956) R70.1@255.267,221.956 ; v1(254.667,222.956) R71.1@255.267,222.956 ; v1(261.25,216.075) C214.1@261.85,216.075 ; v1(261.275,214.9) C216.1@261.875,214.9 ; v1(261.275,218.9) C213.1@261.875,218.9 ; v1(261.275,221.9) C211.1@261.875,221.9 ; v1(261.275,224.9) C209.1@261.875,224.9